# Altium PCB amp.PcbDoc (part 11 of 20) (continued)
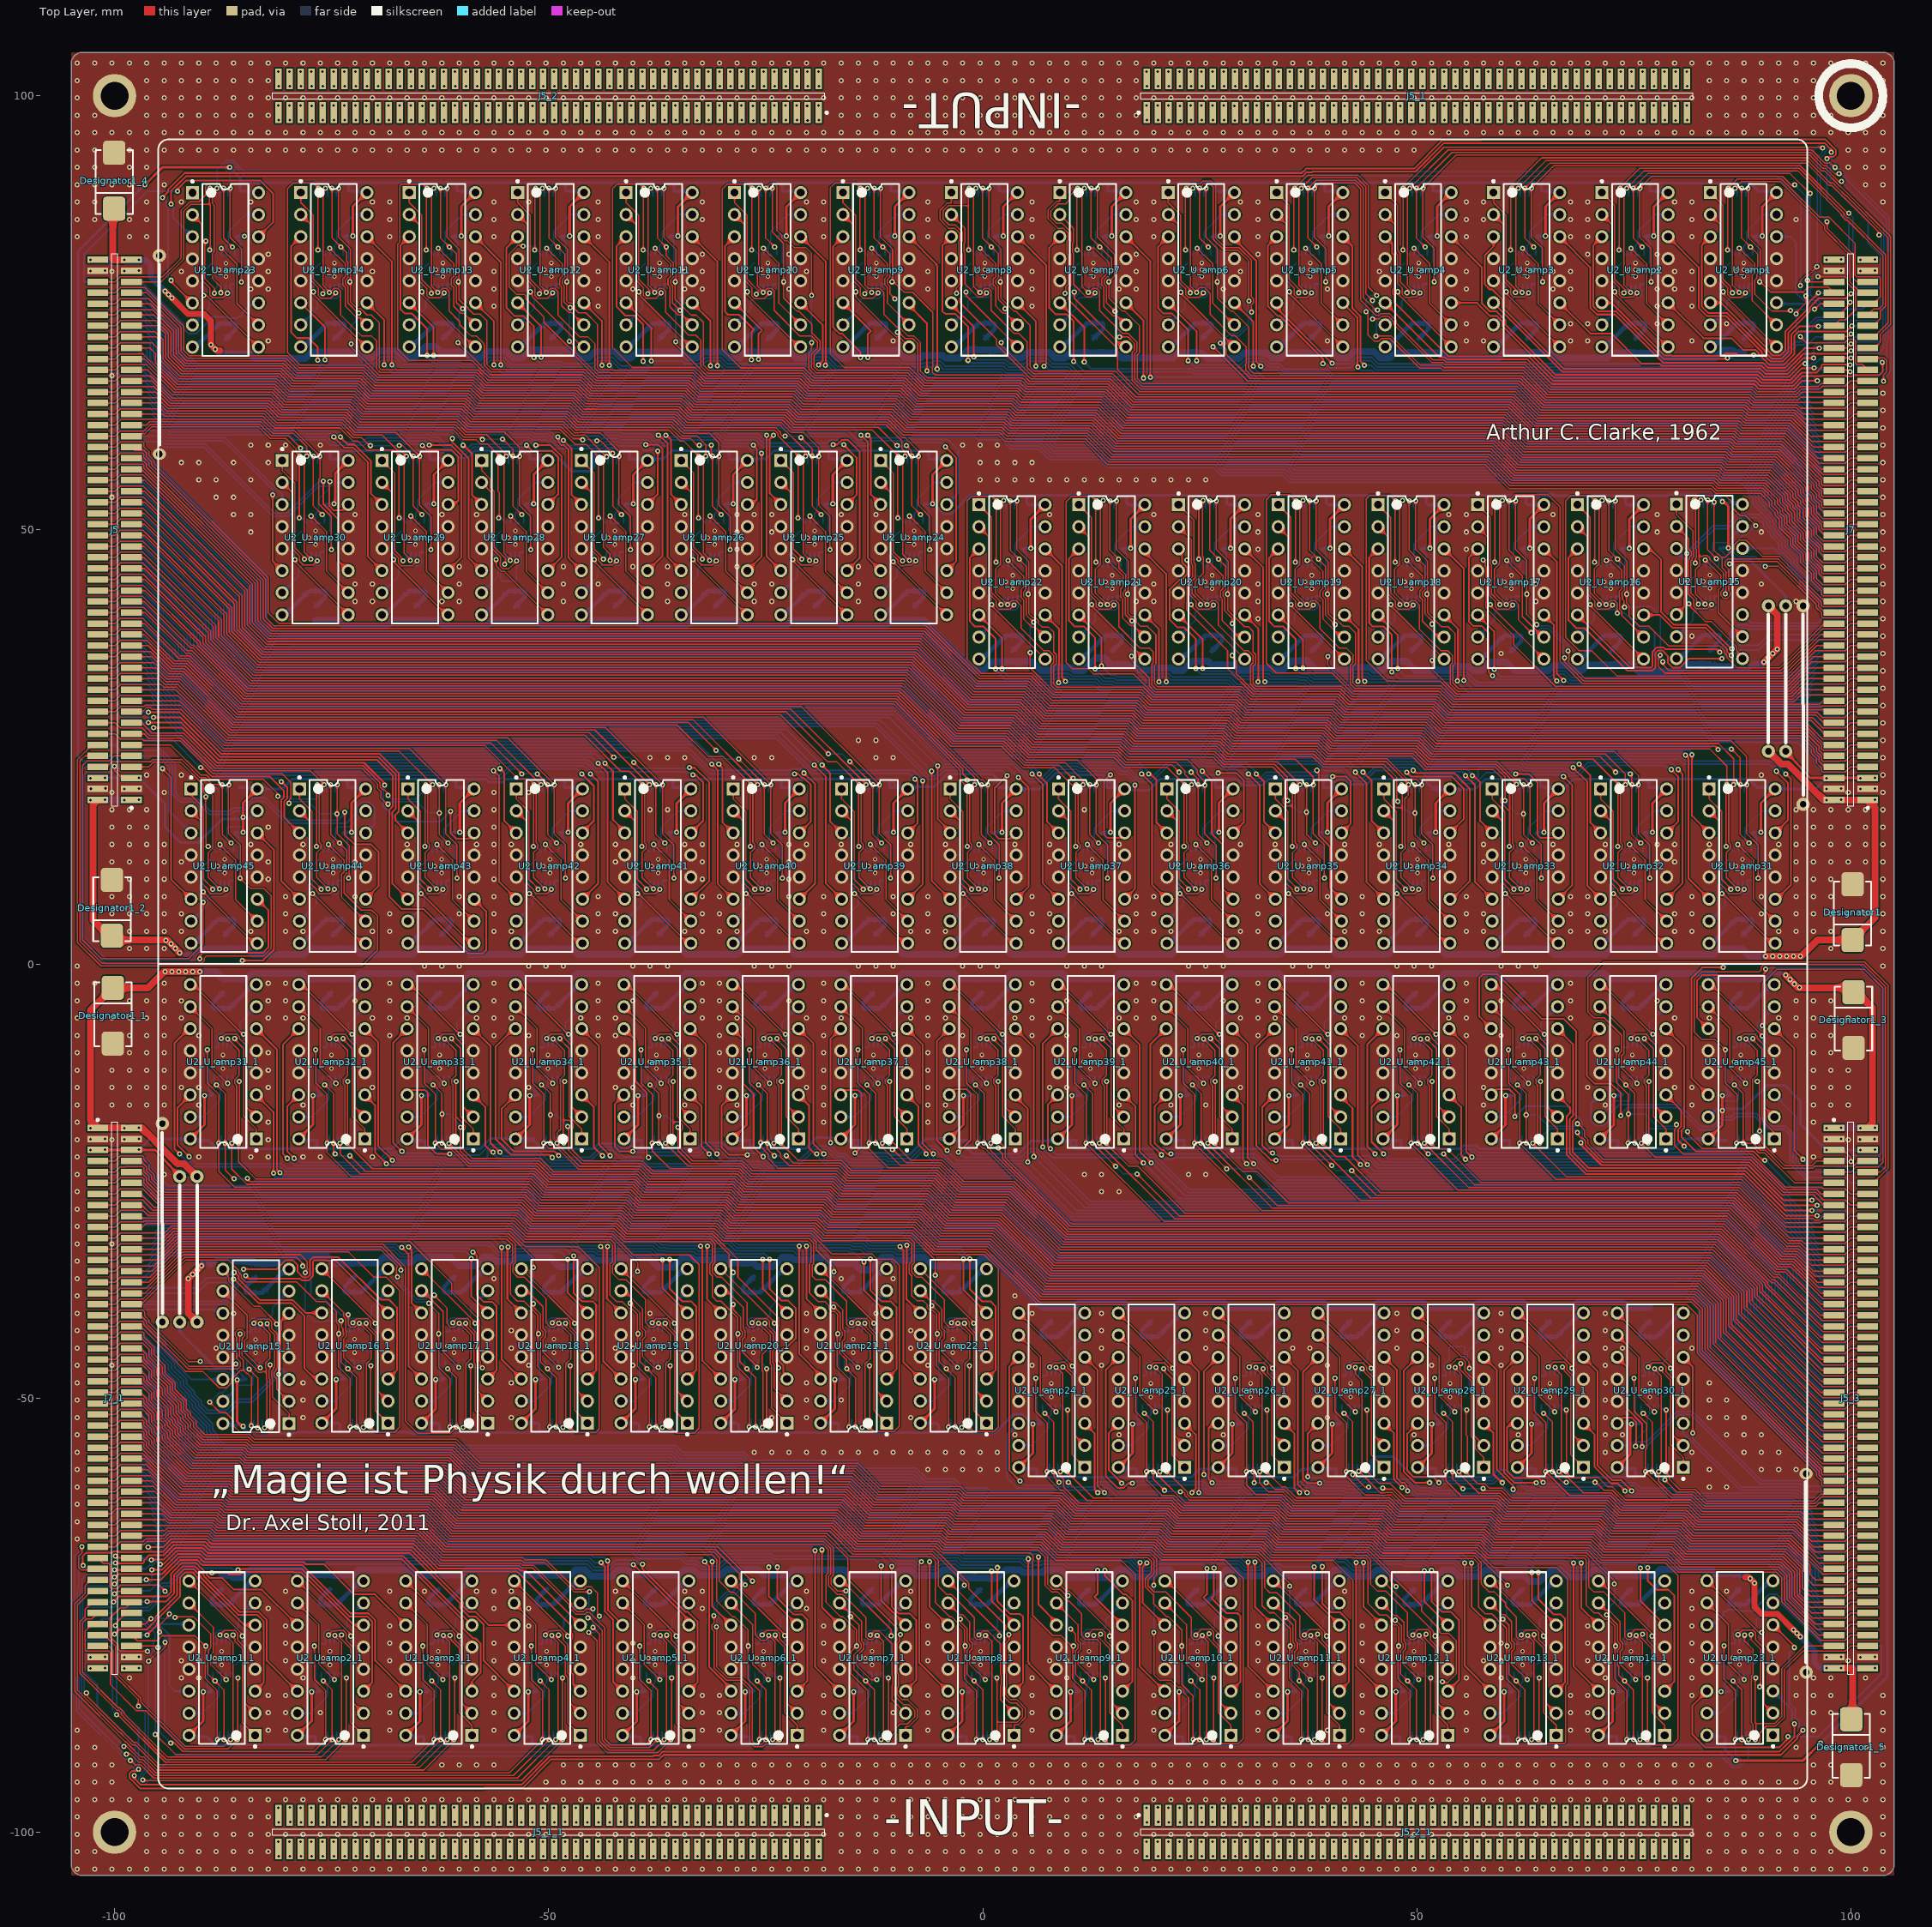
[diagram p0: Top Layer view]
## Nets (pads, with @x,y where several pads share a name; then routed paths per layer and width w, separated by ;. In a path a pad name is that pad's centre, name@x,y a point inside that pad or via, vN(x,y) a via of type N, cw(c..) or ccw(c..) an arc to the next point about the centre after c; other vN are vias at no path point) (continued)
  Bottom Layer w0.2: J6.76@-98.05,65.875 -96.277,65.875 -93.126,62.724 -93.003,62.724 -92.966,62.686 -79.094,62.686 -78.516,62.108 -72.824,62.108 -72.053,61.337 -66.803,61.337 -66.782,61.315 -66.571,61.315 -66.221,60.965 -63.706,60.965 -63.403,60.663 -62.682,60.663 -61.882,59.863 -60.866,59.863 -60.128,59.125 -59.574,59.125 -58.836,59.863 -53.167,59.863 -53.103,59.927 -53.103,59.969 -52.78,60.291 -52.325,60.291 -52.041,60.007 -51.829,60.007 -51.562,59.741 v1(-51.486,59.741) ; v1(51.486,-59.741) 51.562,-59.741 51.829,-60.007 52.041,-60.007 52.325,-60.291 52.78,-60.291 53.103,-59.969 53.103,-59.927 53.167,-59.863 58.836,-59.863 59.574,-59.125 60.128,-59.125 60.866,-59.863 61.882,-59.863 62.682,-60.663 63.403,-60.663 63.706,-60.965 66.221,-60.965 66.571,-61.315 66.782,-61.315 66.803,-61.337 72.053,-61.337 72.824,-62.108 78.516,-62.108 79.094,-62.686 92.966,-62.686 93.054,-62.775 93.177,-62.775 96.277,-65.875 J6_3.76@98.05,-65.875
NetJ6_77: J6.77 J6_3.77 U2_U_amp28.6 U2_U_amp28_1.6 | length 120.4
  Top Layer w0.2: v1(-61.112,60.528) -61.112,60.122 -59.233,58.242 -59.233,46.811 U2_U_amp28.6@-57.718,45.296 ; U2_U_amp28_1.6@57.718,-45.296 59.233,-46.811 59.233,-58.242 61.112,-60.122 v1(61.112,-60.528)
  Bottom Layer w0.2: J6.77@-101.95,67.145 -99.974,67.145 -99.354,66.525 -96.433,66.525 -92.982,63.074 -92.858,63.074 -92.821,63.036 -78.949,63.036 -78.371,62.458 -72.679,62.458 -71.908,61.687 -66.658,61.687 -66.637,61.665 -66.426,61.665 -66.076,61.315 -63.561,61.315 -63.258,61.013 -61.597,61.013 v1(-61.112,60.528) ; v1(61.112,-60.528) 61.597,-61.013 63.258,-61.013 63.561,-61.315 66.076,-61.315 66.426,-61.665 66.637,-61.665 66.658,-61.687 71.908,-61.687 72.679,-62.458 78.371,-62.458 78.949,-63.036 92.821,-63.036 92.909,-63.125 93.032,-63.125 96.433,-66.525 99.354,-66.525 99.974,-67.145 J6_3.77@101.95,-67.145
NetJ6_78: J6.78 J6_3.78 U2_U_amp28.3 U2_U_amp28_1.3 | length 98.5
  Top Layer w0.2: v1(-59.842,59.741) -59.842,59.792 -58.826,58.776 -58.826,54.025 U2_U_amp28.3@-57.718,52.916 ; U2_U_amp28_1.3@57.718,-52.916 58.826,-54.025 58.826,-58.776 59.842,-59.792 v1(59.842,-59.741)
  Bottom Layer w0.2: J6.78@-98.05,67.145 -96.558,67.145 -92.837,63.424 -92.713,63.424 -92.676,63.386 -78.804,63.386 -78.226,62.808 -72.534,62.808 -71.763,62.037 -66.513,62.037 -66.492,62.015 -66.281,62.015 -65.931,61.665 -63.416,61.665 -63.113,61.363 -61.169,61.363 -59.842,60.036 v1(-59.842,59.741) ; v1(59.842,-59.741) 59.842,-60.036 61.169,-61.363 63.113,-61.363 63.416,-61.665 65.931,-61.665 66.281,-62.015 66.492,-62.015 66.513,-62.037 71.763,-62.037 72.534,-62.808 78.226,-62.808 78.804,-63.386 92.676,-63.386 92.764,-63.475 92.887,-63.475 96.558,-67.145 J6_3.78@98.05,-67.145
NetJ6_79: J6.79 J6_3.79 U2_U_amp27.14 U2_U_amp27_1.14 | length 150.8
  Top Layer w0.2: U2_U_amp27.14@-38.608,52.916 -37.434,54.09 v1(-37.434,59.086) ; v1(37.434,-59.086) 37.434,-54.09 U2_U_amp27_1.14@38.608,-52.916
  Bottom Layer w0.2: J6.79@-101.95,68.415 -99.974,68.415 -99.354,67.795 -96.713,67.795 -92.692,63.774 -92.568,63.774 -92.531,63.736 -78.659,63.736 -78.081,63.158 -72.389,63.158 -71.618,62.387 -66.368,62.387 -66.347,62.365 -66.136,62.365 -65.786,62.015 -63.271,62.015 -62.968,61.713 -59.817,61.713 -59.117,61.013 -54.671,61.013 -54.299,60.641 -52.18,60.641 -51.896,60.357 -50.365,60.357 -49.378,59.37 -43.815,59.37 -43.359,59.826 -42.207,59.826 -42.051,59.67 -39.468,59.67 -38.979,59.182 -37.53,59.182 v1(-37.434,59.086) ; v1(37.434,-59.086) 37.53,-59.182 38.979,-59.182 39.468,-59.67 42.051,-59.67 42.207,-59.826 43.359,-59.826 43.815,-59.37 49.378,-59.37 50.365,-60.357 51.896,-60.357 52.18,-60.641 54.299,-60.641 54.671,-61.013 59.117,-61.013 59.817,-61.713 62.968,-61.713 63.271,-62.015 65.786,-62.015 66.136,-62.365 66.347,-62.365 66.368,-62.387 71.618,-62.387 72.389,-63.158 78.081,-63.158 78.659,-63.736 92.531,-63.736 92.619,-63.825 92.742,-63.825 96.713,-67.795 99.354,-67.795 99.974,-68.415 J6_3.79@101.95,-68.415
NetJ6_80: J6.80 J6_3.80 U2_U_amp27.11 U2_U_amp27_1.11 | length 160.5
  Top Layer w0.2: v1(-38.811,59.792) -37.362,59.792 -36.884,59.314 -36.884,47.02 U2_U_amp27.11@-38.608,45.296 ; U2_U_amp27_1.11@38.608,-45.296 36.884,-47.02 36.884,-59.314 37.362,-59.792 v1(38.811,-59.792)
  Bottom Layer w0.2: J6.80@-98.05,68.415 -96.838,68.415 -92.547,64.124 -92.423,64.124 -92.386,64.086 -78.514,64.086 -77.936,63.508 -72.245,63.508 -71.473,62.737 -66.223,62.737 -66.202,62.715 -65.991,62.715 -65.641,62.365 -63.126,62.365 -62.823,62.063 -59.672,62.063 -58.972,61.363 -54.526,61.363 -54.154,60.991 -52.035,60.991 -51.752,60.707 -50.22,60.707 -49.242,59.73 -44.683,59.73 -44.678,59.724 -44.222,59.724 -44.217,59.73 -43.95,59.73 -43.504,60.176 -42.062,60.176 -41.906,60.02 -38.862,60.02 -38.71,59.868 -38.786,59.792 v1(-38.811,59.792) ; v1(38.811,-59.792) 38.786,-59.792 38.71,-59.868 38.862,-60.02 41.906,-60.02 42.062,-60.176 43.504,-60.176 43.95,-59.73 44.217,-59.73 44.222,-59.724 44.678,-59.724 44.683,-59.73 49.242,-59.73 50.22,-60.707 51.752,-60.707 52.035,-60.991 54.154,-60.991 54.526,-61.363 58.972,-61.363 59.672,-62.063 62.823,-62.063 63.126,-62.365 65.641,-62.365 65.991,-62.715 66.202,-62.715 66.223,-62.737 71.473,-62.737 72.245,-63.508 77.936,-63.508 78.514,-64.086 92.386,-64.086 92.474,-64.175 92.597,-64.175 96.838,-68.415 J6_3.80@98.05,-68.415
NetJ6_81: J6.81 J6_3.81 U2_U_amp27.6 U2_U_amp27_1.6 | length 148.9
  Top Layer w0.2: v1(-48.946,60.706) -48.835,60.596 -48.835,60.072 -48.513,59.75 -48.23,59.75 -47.721,59.24 -47.721,46.79 -47.634,46.702 U2_U_amp27.6@-46.228,45.296 ; U2_U_amp27_1.6@46.228,-45.296 47.634,-46.702 47.721,-46.79 47.721,-59.24 48.23,-59.75 48.513,-59.75 48.835,-60.072 48.835,-60.596 v1(48.946,-60.706)
  Bottom Layer w0.2: J6.81@-101.95,69.685 -99.974,69.685 -99.354,70.305 -96.746,70.305 -96.591,70.15 -96.591,69.375 -96.25,69.034 -96.25,68.905 -92.169,64.824 -92.133,64.824 -92.096,64.786 -78.224,64.786 -77.646,64.208 -71.955,64.208 -71.183,63.437 -65.934,63.437 -65.912,63.415 -65.701,63.415 -65.351,63.065 -62.836,63.065 -62.533,62.763 -59.382,62.763 -58.682,62.063 -54.236,62.063 -53.864,61.691 -51.745,61.691 -51.462,61.407 -49.927,61.407 -49.225,60.706 v1(-48.946,60.706) ; v1(48.946,-60.706) 49.225,-60.706 49.927,-61.407 51.462,-61.407 51.745,-61.691 53.864,-61.691 54.236,-62.063 58.682,-62.063 59.382,-62.763 62.533,-62.763 62.836,-63.065 65.351,-63.065 65.701,-63.415 65.912,-63.415 65.934,-63.437 71.183,-63.437 71.955,-64.208 77.646,-64.208 78.224,-64.786 92.096,-64.786 92.184,-64.875 92.22,-64.875 96.25,-68.905 96.25,-69.034 96.591,-69.375 96.591,-70.15 96.746,-70.305 99.354,-70.305 99.974,-69.685 J6_3.81@101.95,-69.685
NetJ6_82: J6.82 J6_3.82 U2_U_amp27.3 U2_U_amp27_1.3 | length 123.8
  Top Layer w0.2: v1(-48.285,60.3) -47.371,59.385 -47.371,54.06 U2_U_amp27.3@-46.228,52.916 ; U2_U_amp27_1.3@46.228,-52.916 47.371,-54.06 47.371,-59.385 v1(48.285,-60.3)
  Bottom Layer w0.2: J6.82@-98.05,69.685 -97.396,69.685 -96.6,68.889 -96.6,68.682 -92.392,64.474 -92.278,64.474 -92.241,64.436 -78.369,64.436 -77.791,63.858 -72.1,63.858 -71.328,63.087 -66.079,63.087 -66.057,63.065 -65.846,63.065 -65.496,62.715 -62.981,62.715 -62.678,62.413 -59.527,62.413 -58.827,61.713 -54.381,61.713 -54.009,61.341 -51.89,61.341 -51.607,61.057 -50.075,61.057 -49.174,60.156 -48.718,60.156 v1@-48.524,60.35 ; v1@48.524,-60.35 48.718,-60.156 49.174,-60.156 50.075,-61.057 51.607,-61.057 51.89,-61.341 54.009,-61.341 54.381,-61.713 58.827,-61.713 59.527,-62.413 62.678,-62.413 62.981,-62.715 65.496,-62.715 65.846,-63.065 66.057,-63.065 66.079,-63.087 71.328,-63.087 72.1,-63.858 77.791,-63.858 78.369,-64.436 92.241,-64.436 92.329,-64.525 92.443,-64.525 96.6,-68.682 96.6,-68.889 97.396,-69.685 J6_3.82@98.05,-69.685
NetJ6_83: J6.83 J6_3.83 U2_U_amp26.14 U2_U_amp26_1.14 | length 180.2
  Top Layer w0.2: U2_U_amp26.14@-27.117,52.916 -26.586,52.916 -26.026,53.476 -26.026,59.351 v1(-26.441,59.766) ; v1(26.441,-59.766) 26.026,-59.351 26.026,-53.476 26.586,-52.916 U2_U_amp26_1.14@27.117,-52.916
  Bottom Layer w0.2: J6.83@-101.95,70.955 -99.974,70.955 -99.354,71.575 -98.148,71.575 -98.146,71.577 -96.101,71.577 -95.891,71.368 -95.891,69.665 -95.55,69.323 -95.55,69.195 -91.879,65.524 -91.843,65.524 -91.806,65.486 -77.934,65.486 -77.356,64.908 -71.665,64.908 -70.893,64.137 -65.644,64.137 -65.622,64.115 -65.411,64.115 -65.061,63.765 -62.546,63.765 -62.243,63.463 -59.092,63.463 -58.392,62.763 -53.946,62.763 -53.574,62.391 -51.455,62.391 -51.172,62.107 -48.589,62.107 -48.582,62.114 -46.744,62.114 -46.738,62.107 -46.417,62.107 -45.483,61.174 -44.077,61.174 -43.779,60.876 -41.772,60.876 -41.616,60.72 -38.447,60.72 -37.736,60.009 -36.622,60.009 -35.911,60.72 -30.647,60.72 -29.905,59.979 -26.654,59.979 v1(-26.441,59.766) ; v1(26.441,-59.766) 26.654,-59.979 29.905,-59.979 30.647,-60.72 35.911,-60.72 36.622,-60.009 37.736,-60.009 38.447,-60.72 41.616,-60.72 41.772,-60.876 43.779,-60.876 44.077,-61.174 45.483,-61.174 46.417,-62.107 46.738,-62.107 46.744,-62.114 48.582,-62.114 48.589,-62.107 51.172,-62.107 51.455,-62.391 53.574,-62.391 53.946,-62.763 58.392,-62.763 59.092,-63.463 62.243,-63.463 62.546,-63.765 65.061,-63.765 65.411,-64.115 65.622,-64.115 65.644,-64.137 70.893,-64.137 71.665,-64.908 77.356,-64.908 77.934,-65.486 91.806,-65.486 91.894,-65.575 91.93,-65.575 95.55,-69.195 95.55,-69.323 95.891,-69.665 95.891,-71.368 96.101,-71.577 98.146,-71.577 98.148,-71.575 99.354,-71.575 99.974,-70.955 J6_3.83@101.95,-70.955
NetJ6_84: J6.84 J6_3.84 U2_U_amp26.11 U2_U_amp26_1.11 | length 186.2
  Top Layer w0.2: U2_U_amp26.11@-27.117,45.296 -25.476,46.937 v1(-25.476,58.826) ; v1(25.476,-58.826) 25.476,-46.937 U2_U_amp26_1.11@27.117,-45.296
  Bottom Layer w0.2: J6.84@-98.05,70.955 -96.609,70.955 -96.241,70.587 -96.241,69.52 -95.9,69.179 -95.9,69.05 -92.024,65.174 -91.988,65.174 -91.951,65.136 -78.079,65.136 -77.501,64.558 -71.81,64.558 -71.038,63.787 -65.789,63.787 -65.767,63.765 -65.556,63.765 -65.206,63.415 -62.691,63.415 -62.388,63.113 -59.237,63.113 -58.537,62.413 -54.091,62.413 -53.719,62.041 -51.6,62.041 -51.317,61.757 -48.444,61.757 -48.437,61.764 -46.889,61.764 -46.883,61.757 -46.562,61.757 -45.644,60.84 -45.644,60.824 -44.222,60.824 -43.924,60.526 -41.917,60.526 -41.761,60.37 -38.592,60.37 -37.881,59.659 -36.477,59.659 -35.766,60.37 -30.792,60.37 -30.05,59.629 -27.082,59.629 -26.669,59.216 -25.866,59.216 v1(-25.476,58.826) ; v1(25.476,-58.826) 25.866,-59.216 26.669,-59.216 27.082,-59.629 30.05,-59.629 30.792,-60.37 35.766,-60.37 36.477,-59.659 37.881,-59.659 38.592,-60.37 41.761,-60.37 41.917,-60.526 43.924,-60.526 44.222,-60.824 45.644,-60.824 45.644,-60.84 46.562,-61.757 46.883,-61.757 46.889,-61.764 48.437,-61.764 48.444,-61.757 51.317,-61.757 51.6,-62.041 53.719,-62.041 54.091,-62.413 58.537,-62.413 59.237,-63.113 62.388,-63.113 62.691,-63.415 65.206,-63.415 65.556,-63.765 65.767,-63.765 65.789,-63.787 71.038,-63.787 71.81,-64.558 77.501,-64.558 78.079,-65.136 91.951,-65.136 92.039,-65.225 92.075,-65.225 95.9,-69.05 95.9,-69.179 96.241,-69.52 96.241,-70.587 96.609,-70.955 J6_3.84@98.05,-70.955
NetJ6_85: J6.85 J6_3.85 U2_U_amp26.6 U2_U_amp26_1.6 | length 175.3
  Top Layer w0.2: v1(-37.363,60.909) -37.287,60.909 -36.297,59.919 -36.297,46.855 U2_U_amp26.6@-34.737,45.296 ; U2_U_amp26_1.6@34.737,-45.296 36.297,-46.855 36.297,-59.919 37.287,-60.909 v1(37.363,-60.909)
  Bottom Layer w0.2: J6.85@-101.95,72.225 -99.974,72.225 -99.354,72.845 -98.176,72.845 -98.146,72.875 -96.408,72.875 -95.191,71.658 -95.191,69.954 -94.85,69.613 -94.85,69.485 -91.589,66.224 -91.554,66.224 -91.516,66.186 -77.644,66.186 -77.066,65.608 -71.375,65.608 -70.603,64.837 -65.354,64.837 -65.332,64.815 -65.121,64.815 -64.771,64.465 -62.256,64.465 -61.953,64.163 -58.802,64.163 -58.102,63.463 -53.656,63.463 -53.284,63.091 -51.165,63.091 -50.882,62.807 -48.878,62.807 -48.872,62.814 -46.454,62.814 -46.448,62.807 -46.127,62.807 -45.194,61.874 -43.787,61.874 -43.489,61.576 -41.482,61.576 -41.326,61.42 -37.849,61.42 -37.363,60.935 v1(-37.363,60.909) ; v1(37.363,-60.909) 37.363,-60.935 37.849,-61.42 41.326,-61.42 41.482,-61.576 43.489,-61.576 43.787,-61.874 45.194,-61.874 46.127,-62.807 46.448,-62.807 46.454,-62.814 48.872,-62.814 48.878,-62.807 50.882,-62.807 51.165,-63.091 53.284,-63.091 53.656,-63.463 58.102,-63.463 58.802,-64.163 61.953,-64.163 62.256,-64.465 64.771,-64.465 65.121,-64.815 65.332,-64.815 65.354,-64.837 70.603,-64.837 71.375,-65.608 77.066,-65.608 77.644,-66.186 91.516,-66.186 91.604,-66.275 91.64,-66.275 94.85,-69.485 94.85,-69.613 95.191,-69.954 95.191,-71.658 96.408,-72.875 98.146,-72.875 98.176,-72.845 99.354,-72.845 99.974,-72.225 J6_3.85@101.95,-72.225
NetJ6_86: J6.86 J6_3.86 U2_U_amp26.3 U2_U_amp26_1.3 | length 153.5
  Top Layer w0.2: v1(-36.5,60.909) -36.424,60.909 -35.916,60.401 -35.916,54.094 U2_U_amp26.3@-34.737,52.916 ; U2_U_amp26_1.3@34.737,-52.916 35.916,-54.094 35.916,-60.401 36.424,-60.909 v1(36.5,-60.909)
  Bottom Layer w0.2: J6.86@-98.05,72.225 -96.253,72.225 -95.541,71.513 -95.541,69.809 -95.2,69.468 -95.2,69.34 -91.734,65.874 -91.698,65.874 -91.661,65.836 -77.789,65.836 -77.211,65.258 -71.52,65.258 -70.748,64.487 -65.499,64.487 -65.477,64.465 -65.266,64.465 -64.916,64.115 -62.401,64.115 -62.098,63.813 -58.947,63.813 -58.247,63.113 -53.801,63.113 -53.429,62.741 -51.31,62.741 -51.027,62.457 -48.733,62.457 -48.727,62.464 -46.599,62.464 -46.593,62.457 -46.272,62.457 -45.338,61.524 -43.932,61.524 -43.634,61.226 -41.627,61.226 -41.471,61.07 -38.302,61.07 -37.591,60.359 -37.101,60.359 v1@-36.5,60.96 ; v1(-36.5,60.909) v1@-36.5,60.96 ; v1@-36.5,61.087 v1@-36.5,60.96 ; v1@36.5,-61.087 v1@36.5,-60.96 ; v1(36.5,-60.909) v1@36.5,-60.96 ; J6_3.86@98.05,-72.225 96.253,-72.225 95.541,-71.513 95.541,-69.809 95.2,-69.468 95.2,-69.34 91.785,-65.925 91.749,-65.925 91.661,-65.836 77.789,-65.836 77.211,-65.258 71.52,-65.258 70.748,-64.487 65.499,-64.487 65.477,-64.465 65.266,-64.465 64.916,-64.115 62.401,-64.115 62.098,-63.813 58.947,-63.813 58.247,-63.113 53.801,-63.113 53.429,-62.741 51.31,-62.741 51.027,-62.457 48.733,-62.457 48.727,-62.464 46.599,-62.464 46.593,-62.457 46.272,-62.457 45.338,-61.524 43.932,-61.524 43.634,-61.226 41.627,-61.226 41.471,-61.07 38.302,-61.07 37.591,-60.359 37.101,-60.359 v1@36.5,-60.96
NetJ6_87: J6.87 J6_3.87 U2_U_amp25.14 U2_U_amp25_1.14 | length 203
  Top Layer w0.2: v1(-16.002,59.792) -14.529,58.318 -14.529,54.015 U2_U_amp25.14@-15.627,52.916 ; U2_U_amp25_1.14@15.627,-52.916 14.529,-54.015 14.529,-58.318 v1(16.002,-59.792)
  Bottom Layer w0.2: J6.87@-101.95,73.495 -99.974,73.495 -99.354,74.115 -98.023,74.115 -97.993,74.145 -96.688,74.145 -94.491,71.948 -94.491,70.244 -94.15,69.903 -94.15,69.775 -91.299,66.924 -91.264,66.924 -91.226,66.886 -77.354,66.886 -76.776,66.308 -71.085,66.308 -70.314,65.537 -65.064,65.537 -65.042,65.515 -64.831,65.515 -64.481,65.165 -61.966,65.165 -61.663,64.863 -58.512,64.863 -57.812,64.163 -53.366,64.163 -52.994,63.791 -50.875,63.791 -50.592,63.507 -49.168,63.507 -49.162,63.514 -46.164,63.514 -46.158,63.507 -45.837,63.507 -44.904,62.574 -43.497,62.574 -43.2,62.276 -41.192,62.276 -41.036,62.12 -35.41,62.12 -34.991,61.701 -32.87,61.701 -32.589,61.42 -30.314,61.42 -29.614,60.72 -26.001,60.72 -25.265,59.984 -17.994,59.984 -17.602,60.376 -16.815,60.376 -16.231,59.792 v1(-16.002,59.792) ; v1(16.002,-59.792) 16.231,-59.792 16.815,-60.376 17.602,-60.376 17.994,-59.984 25.265,-59.984 26.001,-60.72 29.614,-60.72 30.314,-61.42 32.589,-61.42 32.87,-61.701 34.991,-61.701 35.41,-62.12 41.036,-62.12 41.192,-62.276 43.2,-62.276 43.497,-62.574 44.904,-62.574 45.837,-63.507 46.158,-63.507 46.164,-63.514 49.162,-63.514 49.168,-63.507 50.592,-63.507 50.875,-63.791 52.994,-63.791 53.366,-64.163 57.812,-64.163 58.512,-64.863 61.663,-64.863 61.966,-65.165 64.481,-65.165 64.831,-65.515 65.042,-65.515 65.064,-65.537 70.314,-65.537 71.085,-66.308 76.776,-66.308 77.354,-66.886 91.226,-66.886 91.314,-66.975 91.35,-66.975 94.15,-69.775 94.15,-69.903 94.491,-70.244 94.491,-71.948 96.688,-74.145 97.993,-74.145 98.023,-74.115 99.354,-74.115 99.974,-73.495 J6_3.87@101.95,-73.495
NetJ6_88: J6.88 J6_3.88 U2_U_amp25.11 U2_U_amp25_1.11 | length 211.9
  Top Layer w0.2: v1(-17.247,59.817) -16.754,59.817 -16.23,60.342 -15.485,60.342 -14.179,59.035 -14.179,46.745 U2_U_amp25.11@-15.627,45.296 ; U2_U_amp25_1.11@15.627,-45.296 14.179,-46.745 14.179,-59.035 15.485,-60.342 16.23,-60.342 16.754,-59.817 v1(17.247,-59.817)
  Bottom Layer w0.2: J6.88@-98.05,73.495 -98.011,73.456 -96.572,73.456 -96.533,73.495 -94.841,71.803 -94.841,70.099 -94.5,69.758 -94.5,69.63 -91.444,66.574 -91.409,66.574 -91.371,66.536 -77.499,66.536 -76.921,65.958 -71.23,65.958 -70.459,65.187 -65.209,65.187 -65.187,65.165 -64.976,65.165 -64.626,64.815 -62.111,64.815 -61.808,64.513 -58.657,64.513 -57.957,63.813 -53.511,63.813 -53.139,63.441 -51.02,63.441 -50.737,63.157 -49.023,63.157 -49.017,63.164 -46.309,63.164 -46.303,63.157 -45.982,63.157 -45.049,62.224 -43.642,62.224 -43.344,61.926 -41.337,61.926 -41.181,61.77 -35.555,61.77 -35.136,61.351 -33.014,61.351 -32.734,61.07 -30.459,61.07 -29.718,60.329 -28.061,60.329 -28.019,60.37 -26.146,60.37 -25.41,59.634 -17.43,59.634 v1(-17.247,59.817) ; v1(17.247,-59.817) 17.43,-59.634 25.41,-59.634 26.146,-60.37 28.019,-60.37 28.061,-60.329 29.718,-60.329 30.459,-61.07 32.734,-61.07 33.014,-61.351 35.136,-61.351 35.555,-61.77 41.181,-61.77 41.337,-61.926 43.344,-61.926 43.642,-62.224 45.049,-62.224 45.982,-63.157 46.303,-63.157 46.309,-63.164 49.017,-63.164 49.023,-63.157 50.737,-63.157 51.02,-63.441 53.139,-63.441 53.511,-63.813 57.957,-63.813 58.657,-64.513 61.808,-64.513 62.111,-64.815 64.626,-64.815 64.976,-65.165 65.187,-65.165 65.209,-65.187 70.459,-65.187 71.23,-65.958 76.921,-65.958 77.499,-66.536 91.371,-66.536 91.459,-66.625 91.495,-66.625 94.5,-69.63 94.5,-69.758 94.841,-70.099 94.841,-71.803 96.533,-73.495 96.572,-73.456 98.011,-73.456 J6_3.88@98.05,-73.495
NetJ6_89: J6.89 J6_3.89 U2_U_amp25.6 U2_U_amp25_1.6 | length 201.6
  Top Layer w0.2: v1(-24.892,60.884) -24.892,46.941 U2_U_amp25.6@-23.247,45.296 ; U2_U_amp25_1.6@23.247,-45.296 24.892,-46.941 v1(24.892,-60.884)
  Bottom Layer w0.2: J6.89@-101.95,74.765 -99.974,74.765 -99.354,75.385 -96.746,75.385 -93.791,72.43 -93.791,70.534 -93.45,70.193 -93.45,70.065 -91.009,67.624 -90.974,67.624 -90.936,67.586 -77.065,67.586 -76.486,67.008 -70.795,67.008 -70.024,66.237 -64.774,66.237 -64.752,66.215 -64.541,66.215 -64.191,65.865 -61.676,65.865 -61.373,65.563 -58.222,65.563 -57.522,64.863 -53.076,64.863 -52.704,64.491 -50.585,64.491 -50.302,64.207 -49.458,64.207 -49.452,64.214 -45.874,64.214 -45.868,64.207 -45.547,64.207 -44.614,63.274 -43.207,63.274 -42.91,62.976 -40.902,62.976 -40.746,62.82 -35.12,62.82 -34.701,62.401 -32.58,62.401 -32.299,62.12 -30.024,62.12 -29.324,61.42 -25.429,61.42 v1(-24.892,60.884) ; v1(24.892,-60.884) 25.429,-61.42 29.324,-61.42 30.024,-62.12 32.299,-62.12 32.58,-62.401 34.701,-62.401 35.12,-62.82 40.746,-62.82 40.902,-62.976 42.91,-62.976 43.207,-63.274 44.614,-63.274 45.547,-64.207 45.868,-64.207 45.874,-64.214 49.452,-64.214 49.458,-64.207 50.302,-64.207 50.585,-64.491 52.704,-64.491 53.076,-64.863 57.522,-64.863 58.222,-65.563 61.373,-65.563 61.676,-65.865 64.191,-65.865 64.541,-66.215 64.752,-66.215 64.774,-66.237 70.024,-66.237 70.795,-67.008 76.486,-67.008 77.065,-67.586 90.936,-67.586 91.024,-67.675 91.06,-67.675 93.45,-70.065 93.45,-70.193 93.791,-70.534 93.791,-72.43 96.746,-75.385 99.354,-75.385 99.974,-74.765 J6_3.89@101.95,-74.765
NetJ6_90: J6.90 J6_3.90 U2_U_amp25.3 U2_U_amp25_1.3 | length 180.1
  Top Layer w0.2: v1(-24.105,60.884) -24.536,60.452 -24.536,54.205 U2_U_amp25.3@-23.247,52.916 ; U2_U_amp25_1.3@23.247,-52.916 24.536,-54.205 24.536,-60.452 v1(24.105,-60.884)
  Bottom Layer w0.2: J6.90@-98.05,74.765 -97.948,74.662 -96.915,74.662 -96.813,74.765 -94.141,72.093 -94.141,70.389 -93.8,70.048 -93.8,69.92 -91.154,67.274 -91.119,67.274 -91.081,67.236 -77.209,67.236 -76.631,66.658 -70.94,66.658 -70.169,65.887 -64.919,65.887 -64.897,65.865 -64.686,65.865 -64.336,65.515 -61.821,65.515 -61.518,65.213 -58.367,65.213 -57.667,64.513 -53.221,64.513 -52.849,64.141 -50.73,64.141 -50.447,63.857 -49.313,63.857 -49.307,63.864 -46.019,63.864 -46.013,63.857 -45.692,63.857 -44.759,62.924 -43.352,62.924 -43.055,62.626 -41.047,62.626 -40.891,62.47 -35.265,62.47 -34.846,62.051 -32.725,62.051 -32.444,61.77 -30.169,61.77 -29.469,61.07 -25.856,61.07 -25.12,60.334 -24.664,60.334 -24.342,60.656 -24.342,60.715 -24.173,60.884 v1(-24.105,60.884) ; v1(24.105,-60.884) 24.173,-60.884 24.342,-60.715 24.342,-60.656 24.664,-60.334 25.12,-60.334 25.856,-61.07 29.469,-61.07 30.169,-61.77 32.444,-61.77 32.725,-62.051 34.846,-62.051 35.265,-62.47 40.891,-62.47 41.047,-62.626 43.055,-62.626 43.352,-62.924 44.759,-62.924 45.692,-63.857 46.013,-63.857 46.019,-63.864 49.307,-63.864 49.313,-63.857 50.447,-63.857 50.73,-64.141 52.849,-64.141 53.221,-64.513 57.667,-64.513 58.367,-65.213 61.518,-65.213 61.821,-65.515 64.336,-65.515 64.686,-65.865 64.897,-65.865 64.919,-65.887 70.169,-65.887 70.94,-66.658 76.631,-66.658 77.209,-67.236 91.081,-67.236 91.169,-67.325 91.205,-67.325 93.8,-69.92 93.8,-70.048 94.141,-70.389 94.141,-72.093 96.813,-74.765 96.915,-74.662 97.948,-74.662 J6_3.90@98.05,-74.765
NetJ6_91: J6.91 J6_3.91 U2_U_amp24.14 U2_U_amp24_1.14 | length 230.7
  Bottom Layer w0.2: J6.91@-101.95,76.035 -99.974,76.035 -99.354,76.655 -96.721,76.655 -93.091,73.025 -93.091,70.824 -92.75,70.483 -92.75,70.355 -90.719,68.324 -90.684,68.324 -90.646,68.286 -76.775,68.286 -76.197,67.708 -70.505,67.708 -69.734,66.937 -64.484,66.937 -64.462,66.915 -64.251,66.915 -63.901,66.565 -61.386,66.565 -61.083,66.263 -57.933,66.263 -57.233,65.563 -52.786,65.563 -52.414,65.191 -50.295,65.191 -50.012,64.907 -49.748,64.907 -49.742,64.914 -45.584,64.914 -45.578,64.907 -45.257,64.907 -44.324,63.974 -42.917,63.974 -42.62,63.676 -40.612,63.676 -40.456,63.52 -34.83,63.52 -34.411,63.101 -32.29,63.101 -32.009,62.82 -29.734,62.82 -29.034,62.12 -23.091,62.12 -22.731,61.761 -20.555,61.761 -19.888,61.094 -15.885,61.094 -14.81,60.019 -13.371,60.019 -12.775,60.615 -8.416,60.615 -8.22,60.42 -4.007,60.42 -2.819,59.233 -2.819,54.234 U2_U_amp24.14@-4.137,52.916 ; U2_U_amp24_1.14@4.137,-52.916 2.819,-54.234 2.819,-59.233 4.007,-60.42 8.22,-60.42 8.416,-60.615 12.775,-60.615 13.371,-60.019 14.81,-60.019 15.885,-61.094 19.888,-61.094 20.555,-61.761 22.731,-61.761 23.091,-62.12 29.034,-62.12 29.734,-62.82 32.009,-62.82 32.29,-63.101 34.411,-63.101 34.83,-63.52 40.456,-63.52 40.612,-63.676 42.62,-63.676 42.917,-63.974 44.324,-63.974 45.257,-64.907 45.578,-64.907 45.584,-64.914 49.742,-64.914 49.748,-64.907 50.012,-64.907 50.295,-65.191 52.414,-65.191 52.786,-65.563 57.233,-65.563 57.933,-66.263 61.083,-66.263 61.386,-66.565 63.901,-66.565 64.251,-66.915 64.462,-66.915 64.484,-66.937 69.734,-66.937 70.505,-67.708 76.197,-67.708 76.775,-68.286 90.646,-68.286 90.734,-68.375 90.77,-68.375 92.75,-70.355 92.75,-70.483 93.091,-70.824 93.091,-73.025 96.721,-76.655 99.354,-76.655 99.974,-76.035 J6_3.91@101.95,-76.035
NetJ6_92: J6.92 J6_3.92 U2_U_amp24.11 U2_U_amp24_1.11 | length 235.3
  Top Layer w0.2: v1(-4.293,59.563) -4.29,59.563 -3.048,58.321 -3.048,46.385 U2_U_amp24.11@-4.137,45.296 ; U2_U_amp24_1.11@4.137,-45.296 3.048,-46.385 3.048,-58.321 4.29,-59.563 v1(4.293,-59.563)
  Bottom Layer w0.2: J6.92@-98.05,76.035 -97.422,76.035 -97.122,75.735 -96.602,75.735 -93.441,72.575 -93.441,70.679 -93.1,70.338 -93.1,70.21 -90.864,67.974 -90.829,67.974 -90.791,67.936 -76.92,67.936 -76.342,67.358 -70.65,67.358 -69.879,66.587 -64.629,66.587 -64.607,66.565 -64.396,66.565 -64.046,66.215 -61.531,66.215 -61.228,65.913 -58.078,65.913 -57.378,65.213 -52.931,65.213 -52.559,64.841 -50.44,64.841 -50.157,64.557 -49.603,64.557 -49.597,64.564 -45.729,64.564 -45.723,64.557 -45.402,64.557 -44.469,63.624 -43.062,63.624 -42.765,63.326 -40.757,63.326 -40.601,63.17 -34.975,63.17 -34.556,62.751 -32.435,62.751 -32.154,62.47 -29.879,62.47 -29.179,61.77 -23.236,61.77 -22.876,61.411 -20.7,61.411 -20.033,60.744 -16.03,60.744 -14.955,59.669 -13.226,59.669 -12.63,60.265 -9.627,60.265 -9.432,60.07 -9.211,60.07 -9.016,60.265 -8.561,60.265 -8.365,60.07 -4.8,60.07 v1(-4.293,59.563) ; v1(4.293,-59.563) 4.8,-60.07 8.365,-60.07 8.561,-60.265 9.016,-60.265 9.211,-60.07 9.432,-60.07 9.627,-60.265 12.63,-60.265 13.226,-59.669 14.955,-59.669 16.03,-60.744 20.033,-60.744 20.7,-61.411 22.876,-61.411 23.236,-61.77 29.179,-61.77 29.879,-62.47 32.154,-62.47 32.435,-62.751 34.556,-62.751 34.975,-63.17 40.601,-63.17 40.757,-63.326 42.765,-63.326 43.062,-63.624 44.469,-63.624 45.402,-64.557 45.723,-64.557 45.729,-64.564 49.597,-64.564 49.603,-64.557 50.157,-64.557 50.44,-64.841 52.559,-64.841 52.931,-65.213 57.378,-65.213 58.078,-65.913 61.228,-65.913 61.531,-66.215 64.046,-66.215 64.396,-66.565 64.607,-66.565 64.629,-66.587 69.879,-66.587 70.65,-67.358 76.342,-67.358 76.92,-67.936 90.791,-67.936 90.879,-68.025 90.915,-68.025 93.1,-70.21 93.1,-70.338 93.441,-70.679 93.441,-72.575 96.602,-75.735 97.122,-75.735 97.422,-76.035 J6_3.92@98.05,-76.035
NetJ6_93: J6.93 J6_3.93 U2_U_amp24.6 U2_U_amp24_1.6 | length 226.6
  Top Layer w0.2: v1(-14.046,60.919) -13.228,60.1 -13.228,46.767 U2_U_amp24.6@-11.757,45.296 ; U2_U_amp24_1.6@11.757,-45.296 13.228,-46.767 13.228,-60.1 v1(14.046,-60.919)
  Bottom Layer w0.2: J6.93@-101.95,77.305 -99.974,77.305 -99.354,77.925 -96.746,77.925 -92.391,73.57 -92.391,71.114 -92.05,70.773 -92.05,70.645 -90.429,69.024 -90.394,69.024 -90.356,68.986 -76.485,68.986 -75.907,68.408 -70.215,68.408 -69.444,67.637 -64.194,67.637 -64.172,67.615 -63.962,67.615 -63.612,67.265 -61.096,67.265 -60.794,66.963 -57.643,66.963 -56.943,66.263 -52.496,66.263 -52.124,65.891 -50.005,65.891 -49.728,65.614 -45.294,65.614 -45.288,65.607 -44.967,65.607 -44.034,64.674 -42.627,64.674 -42.33,64.376 -40.322,64.376 -40.166,64.22 -34.54,64.22 -34.121,63.801 -32,63.801 -31.719,63.52 -29.444,63.52 -28.744,62.82 -22.801,62.82 -22.441,62.461 -20.265,62.461 -19.598,61.794 -14.931,61.794 -14.056,60.919 v1(-14.046,60.919) ; v1(14.046,-60.919) 14.056,-60.919 14.931,-61.794 19.598,-61.794 20.265,-62.461 22.441,-62.461 22.801,-62.82 28.744,-62.82 29.444,-63.52 31.719,-63.52 32,-63.801 34.121,-63.801 34.54,-64.22 40.166,-64.22 40.322,-64.376 42.33,-64.376 42.627,-64.674 44.034,-64.674 44.967,-65.607 45.288,-65.607 45.294,-65.614 49.728,-65.614 50.005,-65.891 52.124,-65.891 52.496,-66.263 56.943,-66.263 57.643,-66.963 60.794,-66.963 61.096,-67.265 63.612,-67.265 63.962,-67.615 64.172,-67.615 64.194,-67.637 69.444,-67.637 70.215,-68.408 75.907,-68.408 76.485,-68.986 90.356,-68.986 90.445,-69.075 90.48,-69.075 92.05,-70.645 92.05,-70.773 92.391,-71.114 92.391,-73.57 96.746,-77.925 99.354,-77.925 99.974,-77.305 J6_3.93@101.95,-77.305
NetJ6_94: J6.94 J6_3.94 U2_U_amp24.3 U2_U_amp24_1.3 | length 204
  Top Layer w0.2: v1(-13.259,60.909) -12.878,60.528 -12.878,54.037 U2_U_amp24.3@-11.757,52.916 ; U2_U_amp24_1.3@11.757,-52.916 12.878,-54.037 12.878,-60.528 v1(13.259,-60.909)
  Bottom Layer w0.2: J6.94@-98.05,77.305 -96.876,77.305 -92.741,73.17 -92.741,70.969 -92.4,70.628 -92.4,70.5 -90.574,68.674 -90.539,68.674 -90.501,68.636 -76.63,68.636 -76.052,68.058 -70.36,68.058 -69.589,67.287 -64.339,67.287 -64.317,67.265 -64.107,67.265 -63.757,66.915 -61.241,66.915 -60.938,66.613 -57.788,66.613 -57.088,65.913 -52.641,65.913 -52.269,65.541 -50.15,65.541 -49.873,65.264 -45.439,65.264 -45.433,65.257 -45.112,65.257 -44.179,64.324 -42.772,64.324 -42.475,64.026 -40.467,64.026 -40.311,63.87 -34.685,63.87 -34.266,63.451 -32.145,63.451 -31.864,63.17 -29.589,63.17 -28.889,62.47 -22.946,62.47 -22.586,62.111 -20.41,62.111 -19.743,61.444 -15.553,61.444 -14.477,60.369 -13.818,60.369 -13.278,60.909 v1(-13.259,60.909) ; v1(13.259,-60.909) 13.278,-60.909 13.818,-60.369 14.477,-60.369 15.553,-61.444 19.743,-61.444 20.41,-62.111 22.586,-62.111 22.946,-62.47 28.889,-62.47 29.589,-63.17 31.864,-63.17 32.145,-63.451 34.266,-63.451 34.685,-63.87 40.311,-63.87 40.467,-64.026 42.475,-64.026 42.772,-64.324 44.179,-64.324 45.112,-65.257 45.433,-65.257 45.439,-65.264 49.873,-65.264 50.15,-65.541 52.269,-65.541 52.641,-65.913 57.088,-65.913 57.788,-66.613 60.938,-66.613 61.241,-66.915 63.757,-66.915 64.107,-67.265 64.317,-67.265 64.339,-67.287 69.589,-67.287 70.36,-68.058 76.052,-68.058 76.63,-68.636 90.501,-68.636 90.59,-68.725 90.625,-68.725 92.4,-70.5 92.4,-70.628 92.741,-70.969 92.741,-73.17 96.876,-77.305 J6_3.94@98.05,-77.305